# KiCad board Coral Dev Board Micro-PcbDoc.kicad_pcb (continued)
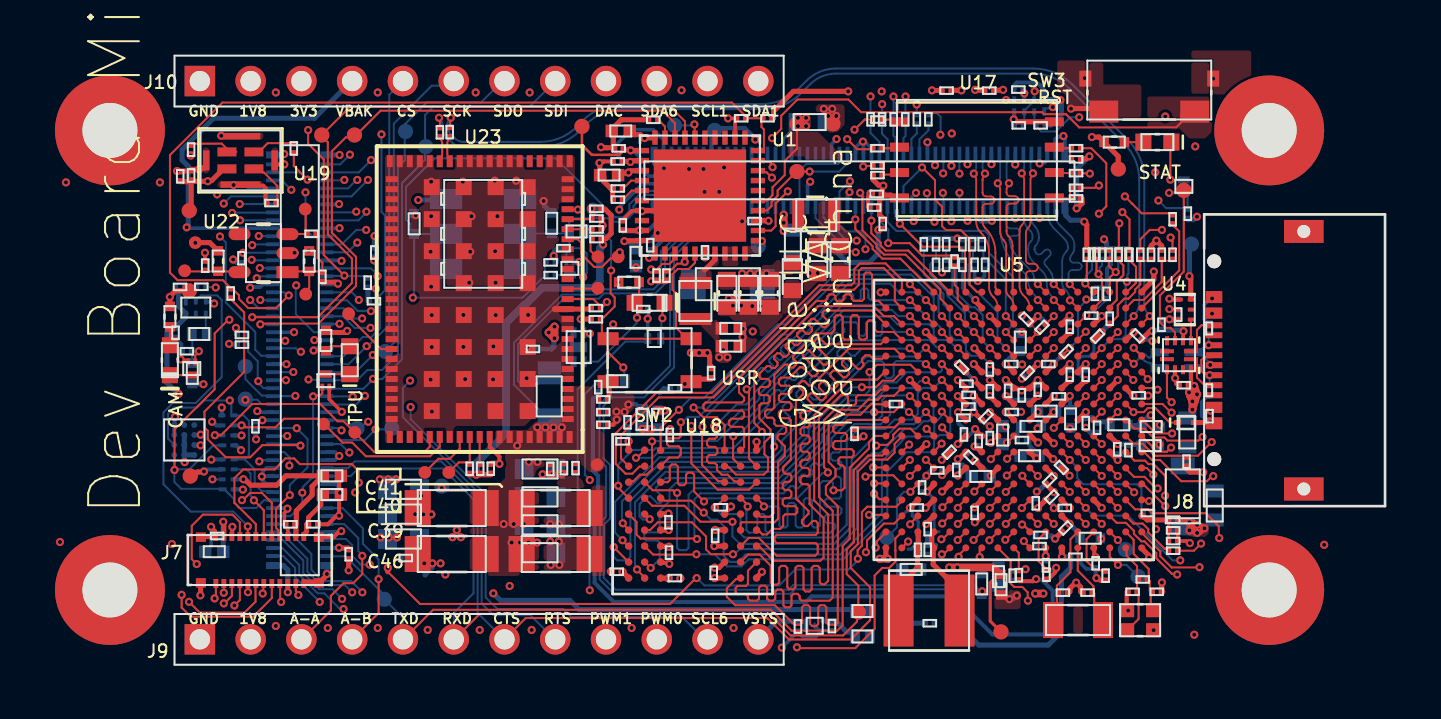
[diagram p0: board, top side]
## Nets (continued)
ENET_RGMII_MDC: J6.44 U5.U2
ENET_RGMII_MDIO: J6.46 U5.R3
ENET_RGMII_RX_EN: J6.76 U5.E13
ENET_RGMII_RXC: J6.78 U5.D13
ENET_RGMII_RXD0: J6.70 U5.D11
ENET_RGMII_RXD1: J6.68 U5.E11
ENET_RGMII_RXD2: J6.66 U5.E10
ENET_RGMII_RXD3: J6.72 U5.C11
ENET_RGMII_TX_EN: J6.63 R20.1
ENET_RGMII_TXC: J6.65 R26.1
ENET_RGMII_TXD0: J6.61 R19.1
ENET_RGMII_TXD1: J6.59 R18.1
ENET_RGMII_TXD2: J6.57 R16.1
ENET_RGMII_TXD3: J6.55 R10.1
ETHPHY_RST_B: J6.42 U5.R1
Flash_CS: R72.1 R79.2 U17.1
Flash_D0: R76.2 U17.5
Flash_D1: R78.2 U17.2
Flash_D2: R74.1 R85.2 U17.3
Flash_D3: R73.1 R84.2 U17.7
Flash_SCK: R75.2 U17.6
FLEXPWM1_PWM0_A: J5.9 J9.10 U5.N12
FLEXPWM1_PWM0_B: J5.7 J9.9 U5.R14
FLEXPWM1_PWM1_A: J5.11 Q3.1 U5.R13
FLEXPWM1_PWM1_B: J5.5 U5.P15
FLEXPWM2_PWM1_A: J5.3 U5.L14
FLEXPWM2_PWM1_B: J5.1 U5.N16
FlexSPI_A_CLK: R75.1 U5.G14
FlexSPI_A_D0: R76.1 U5.F15
FlexSPI_A_D1: R78.1 U5.H15
FlexSPI_A_D2: R85.1 U5.H14
FlexSPI_A_D3: R84.1 U5.F16
FlexSPI_A_SS0: R79.1 U5.F17
GPIO_SNVS_04: J5.58 U5.N10
GPIO_SNVS_06: J5.78 U5.M9
GPIO_SNVS_07: J5.34 U5.R9
GPIO_SNVS_08: J5.56 U5.N9
I2C1_SCL: J5.51 J10.11 R46.1 U5.K16
I2C1_SDA: J5.52 J10.12 R47.1 U5.H17
I2C5_SCL: J5.17 R49.1 U1.14 U5.N8 U6.A3 U10.5 U13.5
I2C5_SCL_CAM: J7.7 U13.6
I2C5_SCL_MCM: TP41.1 U10.6 u23.50
I2C5_SDA: J5.15 R48.1 U1.13 U5.N7 U6.A4 U10.1 U13.1
I2C5_SDA_CAM: J7.8 U13.2
I2C5_SDA_MCM: TP42.1 U10.2 u23.49
I2C6_SCL: J5.35 J9.11 R51.1 U5.R8
I2C6_SDA: J5.72 J10.10 R50.1 U5.P8
LED_BRD_A: LED4.2 R170.1
LED_BRD_K: LED4.1 Q10.3
LED_PRIVACY: LED2.A R168.1
LED_PRIVACY_K: LED2.K Q1.3
LED_TPU: LED5.2 R171.1
LED_TPU_K: LED5.1 Q3.3
LED_USR_A: LED3.A R169.1
LED_USR_K: LED3.K Q2.3
LPSPI1_PCS0: J6.71 U5.M17
LPSPI1_SCK: J6.69 U5.L17
LPSPI1_SDI: J6.75 U5.J17
LPSPI1_SDO: J6.73 U5.K17
LPSPI6_CS0: J5.50 J10.5 U5.P5
LPUART1_RXD: J5.91 U14.5
LPUART1_RXD_BT: R21.1 U5.M15 U14.6
LPUART1_TXD: J5.89 U14.1
LPUART1_TXD_BT: R53.1 U5.L13 U14.2
LPUART2_CTS_B: J6.56 R45.2
LPUART2_CTS_B_R: R45.1 U5.B6
LPUART2_RTS_B: J6.54 U5.A5
LPUART2_RXD: J6.60 U5.A6
LPUART2_TXD: J6.58 U5.D9
LPUART6_CTS_B: J5.24 J9.7 U5.K2
LPUART6_RTS_B: J5.47 J9.8 U5.K4
LPUART6_RXD: J5.22 J9.6 TP31.1 U5.L1
LPUART6_TXD: J5.2 J9.5 TP30.1 U5.K1
LPUART8_RXD: J5.82 U5.D8
LPUART8_TXD: J6.52 U5.B5
MCM_1V8: C98.1 R99.2 R110.2 R116.2 R137.2 R138.2 TP34.1 U5.P2 U10.3 U10.7
MCM_1V8_R: C92.1 R99.1 TP33.1 U22.5
MCM_3V3: C39.1 C40.1 C41.1 C42.1 C43.1 C44.1 C46.1 C90.1 C91.1 C93.1 C94.1 C95.1 C96.1 C97.1 C251.1 J6.6 R22.2 R93.1 R171.2 TP28.1 U5.D16 u23.56 u23.57 u23.58 u23.59 u23.60 u23.61 u23.62 u23.63 u23.64 u23.65 u23.66 u23.67
MCM_3V3_SENSE: J6.8 R22.1 U21.4
MCM_AON: R137.1 u23.54
MCM_AON_PMIC_EN: R138.1 TP43.1 u23.53
MCM_BT_PHY_PRG: R116.1 R129.2 TP35.1 u23.84
MCM_LDO_EN: R95.1 TP32.1 U22.3
MCM_LDO_IN: C88.1 R93.2 R95.2 TP29.1 U22.1
MCM_SD_ALARM: TP37.1 U5.L4 u23.82
MCM_USB2_D_N: R133.2 u23.14
MCM_USB2_D_P: R132.2 u23.13
MCM_USB_SEL: R110.1 R125.2 TP36.1 u23.83
MCU_DCDC_IN: C102.1 C277.1 C294.1 R194.2 R396.1 R397.1 TP17.1 U5.L5 U5.M5 U5.N5
MIC_CH_SEL: R91.2 U19.3
MIC_CLK: J5.97 R86.1 U5.N6
MIC_CLK_R: R86.2 U19.2
MIPI_CSI_CK_N: J6.94 U5.A12
MIPI_CSI_CK_P: J6.92 U5.B12
MIPI_CSI_D0_N: J6.88 U5.A11
MIPI_CSI_D0_P: J6.86 U5.B11
MIPI_CSI_D1_N: J6.100 U5.A13
MIPI_CSI_D1_P: J6.98 U5.B13
MIPI_DSI_CK_N: J6.87 U5.A9
MIPI_DSI_CK_P: J6.85 U5.B9
MIPI_DSI_D0_N: J6.81 U5.A8
MIPI_DSI_D0_P: J6.79 U5.B8
MIPI_DSI_D1_N: J6.93 U5.A10
MIPI_DSI_D1_P: J6.91 U5.B10
NetC34_1: C34.1 U5.J2
NetC57_1: C57.1 C63.1 C74.1 C269.1 R117.1 U5.K8 U5.K9 U5.L8
NetC242_1: C242.1 R375.2 U5.D14
NetQ4_3: Q4.3 R31.1
NetR12_1: R12.1 R13.1 U3.1
NetTP8_1: TP8.1 U1.36
NetTP40_1: TP40.1 u23.37
NetTP44_1: TP44.1 u23.52
ONOFF: J5.30 U5.U10
OTG1_D_N: L7.2 U5.E16
OTG1_D_P: L7.3 U5.E17
PMIC_ON_REQ: J5.29 R6.1 R1821.1 TP13.1 U5.U9
PMIC_STBY_REQ: J5.32 TP12.1 U5.T9
POR_B: C115.1 J5.60 R215.1 SW3.1 U1.22 U5.T10
PRIVACY_ENABLE: D5.A U3.4
PRIVACY_ENABLE_FILT: C36.1 D5.K Q1.1 R11.2
PRIVACY_OVERRIDE: R12.2 U5.M2
QSPI_1V8: C81.1 C82.1 R71.1 R72.2 R73.2 R74.2 U17.8
RGMII1_PHY_INTB: J6.40 U5.K3
RT_CLK1_N: TP22.1 U5.T15
RT_CLK1_P: TP23.1 U5.U15
RT_DCDC_L_1: L15.1 U5.T3 U5.U3
RT_DCDC_L_2: L15.2 U5.T4 U5.U4
RT_DCDC_MODE: C287.1 R397.2 R398.2 U5.N4
RT_TEST_MODE: R14.1 U5.T11
RT_XTALI: C316.2 R189.2 U5.U16 X1.1
RT_XTALO: C317.1 R189.1 U5.T16 X1.3
RTC_XTALI: C110.1 U5.T13 X2.1
RTC_XTALO: C109.1 U5.U13 X2.2
SAI2_MCLK: J5.66 U5.M1
SAI2_RX_BCLK: J5.42 U5.T1
SAI2_RX_DATA: J5.68 U5.M3
SAI2_RX_SYNC: J5.62 U5.N1
SAI2_TX_BCLK: J5.64 U5.N2
SAI2_TX_DATA: J5.53 U5.P1
SAI2_TX_SYNC: J5.40 U5.R2
SDRAM_1V8: C223.1 C224.1 C233.1 C234.1 C267.1 C268.1 C297.1 C303.1 C304.1 FB6.2 R90.2 U18.A7 U18.A9 U18.B3 U18.C7 U18.D3 U18.E7 U18.J9
SEMC_A0: U5.A3 U18.H7
SEMC_A1: U5.A2 U18.H8
SEMC_A2: U5.C2 U18.J8
SEMC_A3: U5.C5 U18.J7
SEMC_A4: U5.D5 U18.J3
SEMC_A5: U5.B1 U18.J2
SEMC_A6: U5.C1 U18.H3
SEMC_A7: U5.D3 U18.H2
SEMC_A8: U5.B3 U18.H1
SEMC_A9: U5.B4 U18.G3
SEMC_A10: U5.B2 U18.H9
SEMC_A11: U5.C4 U18.G2
SEMC_A12: U5.C3 U18.G1
SEMC_BA0: U5.G2 U18.G7
SEMC_BA1: U5.H2 U18.G8
SEMC_CAS: U5.J5 U18.F7
SEMC_CKE: R135.2 U5.G5 U18.F3
SEMC_CLK: R365.1 U5.J3
SEMC_CLK_R: R365.2 U18.F2
SEMC_CS0: R90.1 U5.E6 U18.G9
SEMC_D0: U5.F3 U18.A8
SEMC_D1: U5.F2 U18.B9
SEMC_D2: U5.G4 U18.B8
SEMC_D3: U5.E4 U18.C9
SEMC_D4: U5.H5 U18.C8
SEMC_D5: U5.F4 U18.D9
SEMC_D6: U5.H4 U18.D8
SEMC_D7: U5.H3 U18.E9
SEMC_D8: U5.E3 U18.E1
SEMC_D9: U5.D2 U18.D2
SEMC_D10: U5.D1 U18.D1
SEMC_D11: U5.E2 U18.C2
SEMC_D12: U5.E1 U18.C1
SEMC_D13: U5.F1 U18.B2
SEMC_D14: U5.G1 U18.B1
SEMC_D15: U5.H1 U18.A2
SEMC_DM0: U5.F5 U18.E8
SEMC_DM1: U5.J1 U18.F1
SEMC_DQS4: TP25.1 U5.N3
SEMC_RAS: U5.J4 U18.F8
SEMC_WE: U5.E5 U18.F9
SPI6_SCK__JTAG_nTRST: J5.48 J10.6 TP18.1 U5.R5
SPI6_SDI__JTAG_TDI: J5.44 J10.8 TP20.1 U5.U5
SPI6_SDO__JTAG_TDO: J5.46 J10.7 TP19.1 U5.T5
TPU_BOOT_FAIL: U5.K5 u23.85
TPU_INTR: TP38.1 u23.77
TPU_POW_EN: R39.2 U5.L2 U21.3
TPU_RST_L: R136.2 U5.M4 u23.76
USB2_TPU_N: R133.1 U5.C16
USB2_TPU_P: R132.1 U5.C17
USB_CC1: J8.4 U20.1
USB_CC2: J8.10 U20.2
USB_DN_CON: ESD2.2 J8.5 J8.7 L7.1
USB_DP_CON: ESD1.2 J8.6 J8.8 L7.4
USB_OTG1_ID: R43.2 U20.9
USB_OTG1_ID_RT: R43.1 U5.R16
USB_PORT: U4.4 U20.3
USB_PORT_RT: R17.2 U4.2 U5.R15
USDHC2_CLK: J5.79 U5.F14
USDHC2_CMD: J5.81 R23.1 U5.E14
USDHC2_DATA0: J5.77 R24.1 U5.E15
USDHC2_DATA1: J5.73 U5.H13
USDHC2_DATA2: J5.75 U5.J14
USDHC2_DATA3: J5.71 U5.J15
USER_BUTTON: D1.A J5.31 R167.1 U5.R10
USER_LED: J5.25 Q2.1 U5.M10
VSYS: C18.1 C26.1 C28.1 C38.1 C45.1 C87.1 D4.K J6.14 J6.16 J6.18 J6.20 J6.22 J6.24 J6.26 J9.12 R1.1 R4.2 R15.1 R40.2 U2.3 U2.4
VSYS_DA: C4.1 C5.1 C6.1 C7.1 C32.1 R1.2 U1.18 U1.19 U1.40
VSYS_SNVS_D: C21.1 D2.A U2.1
VUSB: C84.1 C85.1 C252.1 J8.2 J8.11 R8.2 TP45.1 U4.6 U5.D17 U20.4 U20.12
VUSB_R: D4.A R8.1 R15.2
WAKEUP: J5.36 TP9.1 U5.T8
WIFI_POWER_EN: J5.27 U5.R11
WIFI_SDIO_CLK: J5.92 U5.D15
WIFI_SDIO_CMD: J5.100 R32.2
WIFI_SDIO_CMD_R: R32.1 R373.1 U5.B16
WIFI_SDIO_D0: J5.96 R33.2
WIFI_SDIO_D0_R: R33.1 R374.1 U5.C15
WIFI_SDIO_D1: J5.94 R34.2
WIFI_SDIO_D1_R: R34.1 U5.B17
WIFI_SDIO_D2: J5.85 R35.2
WIFI_SDIO_D2_R: R35.1 U5.B15
WIFI_SDIO_D3: J5.98 R36.2
WIFI_SDIO_D3_R: R36.1 U5.A16
WL_ANT_SEL: J5.88 U5.C6
WL_HOST_WAKE: J5.86 U5.D6
WL_REG_ON: J5.93 U5.J16

Pads without a net: J6 23 25 27 29; J8 3 9; NOREF 6; SW1 1; U1 6 8 12 26 27 31 33 34 35; U3 5; U4 5; U5 M13; U6 B1 C1; U18 E2; U20 6 7 8 11; U22 4; u23 4 5 78

## Via types
v1: diameter 0.406, hole 0.203, Top to Bottom, 809 vias

## Routing (per net, layer and track width the routed paths; a pad name or vN(x,y) marks a point on that pad's centre or on a via; arc(x,y) is an arc through that point)
DVDD15: length 2.5
  Top w0.229: J7.12 7.1,6.52 7.23,6.65 7.23,7.02 7.27,7.05 ; 7.27,7.05 7.27,7.03 ; 7.27,7.05 7.33,7.11 7.33,7.37 7.96,8 7.96,8.42 C35.1
GND: length 960.6
  Top w0.178: v1(28.32,27.34) 28.33,27.34 ; 28.33,27.34 28.37,27.3 ; 28.33,27.34 28.33,27.35 28.68,27.35 28.68,27.34 28.68,26.39 U1.32 ; 6.19,6.92 6.3,6.8 J7.10 ; 19.62,17.81 19.64,17.81 19.66,17.8 ; 50.89,6.19 51.27,6.19 51.37,6.09 v1(51.43,6.09) ; 38.23,11.04 v1(38.25,11.04) ; 24,22.73 23.98,22.72 23.52,22.72 23.13,22.33 23.13,22.3 23.09,22.26 23.06,22.26 ; C33.2 50.82,6.72 50.82,6.19 R41.1 ; U5.L3 37.84,10.65 ; v1(2.46,6.9) 2.67,6.69 2.67,6.45 2.69,6.43 2.68,6.42 ; v1(46.17,29.36) 46.19,29.33 SW3.SH ; 6.13,7.03 6.13,7.6 6.28,7.75 v1(6.28,7.81) ; SW3.SH v1(52.6,29.33) ; 46.27,20.82 47.38,20.82 ; Q1.2 1.32,15.23 1.31,15.23 1.05,15.23 1,15.28 v1(0.94,15.28) ; Q3.2 8.38,13.28 v1(9,12.66) ; v1(52.54,18.33) 52.54,18.43 ; 7.59,15.67 v1(7.59,15.73)
  Top w0.19: 9.33,5.84 9.34,5.83 ; v1(8.86,5.85) 8.87,5.84
  Top w0.203: 34.62,11.27 34.68,11.33 34.92,11.33 34.99,11.39 35.07,11.39 v1(35.1,11.43) ; v1(46.76,4.34) 46.81,4.34 46.94,4.21 47.19,4.21 47.22,4.18 ; C31.2 8.87,9.37 v1(8.87,7.46) 8.83,7.42 8.69,7.42 8.31,7.03 7.87,7.03 ; v1(50.4,17.29) 50.42,17.27 50.88,17.27 50.88,17.27 ; v1(49.62,1.73) 49.74,1.73 ; 2.17,20.24 2.16,20.25 2.16,20.61 v1(2.16,20.62) ; 4.4,24.03 4.45,23.97 5.06,23.97 5.18,23.85 5.18,23.11 ; v1(19.99,9.54) 20.12,9.54 ; C95.2 22.58,12.01 22.58,12.03 22.75,12.21 v1(22.75,12.26) ; v1(6.3,3.63) 6.3,3.63 6.3,4.04 6.3,4.04 ; v1(35.45,23.59) 35.45,23.53 35.33,23.4 35.33,23.06 35.33,23.05 35.33,22.91 35.36,22.88 ; 48.39,2.73 48.39,2.73 48.39,2.73 ; 48.39,2.73 48.37,2.75 ; J7.MH4 7.85,6.39 8.6,6.39 8.86,6.65 8.93,6.65 v1(8.97,6.68) ; U22.2 6.62,20.6 v1(6.64,20.62) ; u23.55 16.41,11.39 16.41,10.89 16.89,10.41 v1(16.89,10.05) ; 22.53,25.19 22.1,25.19 22.06,25.15 21.98,25.15 21.92,25.09 ; X1.4 48.27,3.65 ; v1(40.69,11.79) 41.02,11.46 U5.K7 ; 44.26,4.21 44.28,4.21 44.7,4.63 ; 22.04,22.33 22.04,22.33 22.04,21.99 v1(22.04,21.99) 22.04,21.79 22.05,21.79 ; C96.2 20.12,9.61 ; U19.7 5.64,25.1 5.7,25.04 v1(6.12,25.04) ; v1(3.52,6.9) 3.51,6.89 3.51,6.43 3.5,6.41 ; v1(25.38,5.04) 25.33,5.04 25.27,5.1 24.98,5.1 U18.B7 ; 50.83,13.99 50.75,14.06 50.75,14.23 50.69,14.29 v1(50.69,14.34) 50.69,14.35 50.69,14.76 U20.10 ; v1(28.47,7.92) 28.47,7.89 28.15,7.57 U18.E3 ; 23.12,12.63 v1(23.15,12.65) ; 20.69,9.61 C97.2
  Top w0.254: U5.G15 v1(47.82,14.25) ; 24.31,27.27 22.98,27.27 22.69,26.98 22.69,26.9 C32.2 22.58,26.64 22.58,25.87 22.25,25.87 22.25,25.88 21.99,25.88 v1(21.97,25.9) ; v1(40.62,12.65) U5.J7 ; 21.41,17.85 21.41,17.83 21.38,17.8 u23.75 ; v1(38.53,28.75) 38.53,28.74 38.95,28.74 38.96,28.73 ; v1(44.59,10.29) 44.58,10.29 U5.L11 ; v1(3.59,24.01) 3.54,24.01 3.56,24.03 4.4,24.03 ; U18.D7 24.96,6.74 v1(25.35,6.74) 25.4,6.7 ; v1(16.89,10.05) 16.86,10.08 16.48,10.08 ; v1(42.22,14.25) U5.G9 ; 45.38,3.61 45.43,3.65 45.43,3.82 45.72,4.11 v1(45.74,4.11) 45.97,3.88 45.97,3.65 46.01,3.61 ; 47.04,27.83 45.49,27.83 v1(45.48,27.83) ; U5.R7 40.7,7.13 v1(40.67,7.13) ; v1(29.05,16.4) 29.02,16.43 29.02,16.72 C10.2 29.05,16.83 29.05,16.83 v1(29.05,16.81) ; u23.109 16.7,22.44 16.79,22.52 ; v1(8.25,4.54) 8.22,4.51 8.22,4.45 7.86,4.09 ; v1(1.92,3.47) 1.94,3.48 1.94,4.08 J7.MH1 ; U5.H11 v1(44.62,13.45) ; U5.C10 v1(43.82,17.45) ; 4.4,26.45 4.38,26.47 v1(2.97,26.47) ; v1(44.62,11.08) 44.59,11.08 U5.K11 ; v1(41.42,14.25) U5.G8 ; v1(49.63,19.68) 49.63,19.28 49.02,18.67 U5.A17 ; u23.68 20.32,14.28 ; v1(42.62,27.3) 42.66,27.3 42.79,27.17 U17.4 ; 1.31,24.71 0.76,24.71 v1(0.76,24.71) ; u23.90 16.66,23.94 v1(16.66,24.22) ; v1(24.02,22.7) 24.02,22.73 U1.7 26.17,22.73 ; U5.B7 41.02,17.87 40.73,18.17 40.73,18.23 v1(40.7,18.26) ; 28.28,17.95 28.3,17.98 v1(28.57,17.98) ; U5.G11 v1(43.82,14.25) U5.G10 ; v1(37.42,14.25) U5.G3 ; 46.27,20.82 46.27,22.02 46.15,22.15 v1(46.15,22.17) ; v1(8.81,19.07) 8.77,19.07 8.69,19.14 8.06,19.14 8.03,19.14 ; 22.51,23.76 22.54,23.73 22.54,23.28 ; v1(21.89,25.11) 21.91,25.1 21.91,24.63 22.11,24.43 22.11,24.19 22.43,23.86 22.51,23.86 22.51,23.86 22.51,23.84 ; v1(36.32,5.3) 36.32,5.34 36.22,5.44 U5.U1 ; U5.U17 49.02,5.82 49.36,5.48 49.36,5.38 v1(49.39,5.35) ; U5.A1 36.22,18.64 35.97,18.64 v1(35.96,18.64) ; U18.J1 v1(29.75,11.16) ; v1(43.76,10.33) 43.74,10.33 U5.L10 ; v1(40.69,28.77) 40.71,28.75 41.07,28.75 41.09,28.73 ; v1(40.62,13.45) U5.H7 ; 27.48,14.29 26.6,14.29 26.38,14.07 26.18,14.07 v1(26.16,14.05) ; U5.C12 45.41,17.44 v1(45.41,17.47) ; v1(39.82,11.05) U5.K6 ; 7.12,4.14 7.87,4.15 ; U18.A1 29.73,4.34 30.02,4.63 v1(30.02,4.65) ; v1(52.47,12.13) 52.46,12.12 D31.A ; 1.46,24.79 1.47,24.79 1.86,24.79 v1(1.86,24.8) 1.9,24.8 1.98,24.87 2.18,24.87 2.22,24.9 U19.5 ; C8.2 v1(32.81,19.6) ; U5.P4 38.61,8.25 38.22,7.85 v1(38.21,7.85) ; 42.62,13.86 v1(43.02,13.73) 43.43,13.86 ; v1(27.66,4.34) 28.16,4.34 U18.A3 ; v1(38.22,16.65) U5.D4 ; 1.95,6.38 1.98,6.42 2.68,6.42 ; 15.24,22.5 15.1,22.36 u23.110 ; v1(29.54,17.95) 29.26,17.95 29.23,17.98 v1(28.98,17.98) ; v1(27.64,5.94) U18.C3 ; 26.17,22.73 25.05,21.61 v1(24.81,21.61) ; 26.17,22.73 26.42,22.73 27.17,23.48 ; 26.17,22.73 U1.41 ; U5.R4 38.24,7.06 v1(38.24,7.05) ; 32.8,19.59 32.42,19.59 v1(32.41,19.6) ; U5.F13 v1(46.22,15.05) ; v1(50.03,4.12) 50.03,4.11 50.03,3.7 50.08,3.65 ; U5.F12 v1(45.42,15.05) ; U5.F11 v1(44.62,15.05) ; SW2.3 22.38,14.11 22.38,13.45 ; 45.02,6.63 45,6.63 44.69,6.31 v1(44.69,6.31) ; U5.L15 v1(47.82,10.25) ; U5.C14 v1(47.02,17.45) ; U5.L6 39.87,10.29 v1(39.82,10.29) ; U5.P14 v1(47.02,7.85) ; v1(41.42,17.45) U5.C8 ; 37.84,10.65 38.23,11.04 ; U5.J11 v1(44.62,12.65) ; 8.87,5.84 9.33,5.84 ; v1(40.62,14.25) U5.G7
  Top w0.305: 19.66,17.8 u23.75
  Top w0.381: v1(43.7,3.56) 43.7,3.57 44.04,3.57 ; v1(35.91,5.3) v1(36.32,5.3)
  In1.Cu w0.508: 53.05,11.1 53.05,19.38 arc(53.06,19.49) 53.09,19.59 53.3,20.05 53.3,20.41 arc(53.45,20.76) 53.8,20.91 58.9,20.91 58.9,27.24 arc(58.02,29.36) 55.9,30.24 51.95,30.24 51.95,29.39 arc(52.05,28.69) 51.35,28.59 47.45,28.59 arc(46.75,28.69) 46.85,29.39 46.85,30.24 -3.1,30.24 arc(-5.22,29.36) -6.1,27.24 -6.1,3.24 arc(-5.22,1.12) -3.1,0.24 55.9,0.24 arc(58.02,1.12) 58.9,3.24 58.9,9.57 53.8,9.57 arc(53.45,9.72) 53.3,10.07 53.3,10.43 53.09,10.89 arc(53.06,10.99) 53.05,11.1
  In2.Cu w0.254: v1(23.34,13.02) v1(22.74,12.67) ; v1(22.75,12.26) v1(23.15,12.65)
  In2.Cu w0.381: v1(43.7,3.56) v1(44.1,3.56) ; v1(13.13,5.07) v1(13.53,5.07) v1(13.94,5.07) ; v1(22.75,12.26) v1(22.74,12.67) v1(23.15,12.65) v1(23.34,13.02) ; v1(29.05,16.4) v1(29.05,16.81) ; v1(12.67,7.54) v1(13.48,7.52) ; v1(35.91,5.3) v1(36.32,5.3) ; v1(32.41,19.6) v1(32.81,19.6) ; v1(29.54,17.95) v1(29.94,17.95) ; v1(28.77,18.33) v1(28.98,17.98) v1(28.57,17.98) v1(28.37,18.33) v1(28.77,18.33) ; v1(14.75,6.74) v1(14.96,6.38) v1(14.54,6.38) v1(14.75,6.74)
  In3.Cu w0.381: v1(13.48,7.52) v1(12.67,7.54) ; v1(19.88,5) 17.17,5 16.63,4.46 17.09,4.46 17.62,5 ; v1(13.13,5.07) v1(13.53,5.07) v1(13.94,5.07) ; v1(14.54,6.38) v1(14.75,6.74) v1(14.96,6.38) v1(14.54,6.38)
  In4.Cu w0.013: 57.49,7.39 58.29,7.39 58.29,9.09 57.49,9.09 57.49,7.39 ; -3.1,0.24 55.9,0.24 arc(58.02,1.12) 58.9,3.24 58.9,27.24 arc(58.02,29.36) 55.9,30.24 -3.1,30.24 arc(-5.22,29.36) -6.1,27.24 -6.1,3.24 arc(-5.22,1.12) -3.1,0.24 ; 0.65,0 31.13,0 31.13,2.54 0.65,2.54 0.65,0 ; 57.49,23.09 58.29,23.09 58.29,21.39 57.49,21.39 57.49,23.09 ; 0.65,30.48 31.13,30.48 31.13,27.94 0.65,27.94 0.65,30.48
  In4.Cu w0.381: 23.15,12.66 23.15,12.83 23.33,13.01 ; 23.15,12.66 23.15,12.66 v1(23.15,12.65) ; 23.15,12.66 v1(23.15,12.65) ; 23.15,12.66 23.33,13.01 ; 23.33,13.01 23.34,13.02 v1(23.34,13.02) ; 23.33,13.01 v1(23.34,13.02) ; v1(23.15,12.65) 23.14,12.65 23.13,12.66 22.75,12.66 ; v1(23.15,12.65) v1(22.75,12.26) 22.75,12.27 22.75,12.28 22.75,12.66 ; v1(23.34,13.02) v1(22.74,12.67) 22.75,12.66 ; v1(43.7,3.56) v1(44.1,3.56) ; v1(12.67,7.54) 13.46,7.54 13.48,7.52 v1(13.48,7.52) ; v1(32.41,19.6) v1(32.81,19.6)
  In5.Cu w0.254: v1(23.15,12.65) v1(22.75,12.26) 22.74,12.25 22.74,12.22 ; 22.7,12.69 v1(23.34,13.02)
  In5.Cu w0.381: v1(28.98,17.98) 28.98,17.98 28.97,17.99 ; v1(28.98,17.98) v1(28.57,17.98) 28.37,18.32 ; v1(28.98,17.98) 28.97,17.99 ; 28.37,18.32 28.37,18.33 v1(28.37,18.33) ; 28.37,18.32 v1(28.37,18.33) ; v1(13.13,5.07) v1(13.53,5.07) v1(13.94,5.07) ; 28.97,17.99 28.78,18.32 ; 28.97,17.99 28.78,18.18 28.78,18.32 ; v1(28.77,18.33) 28.78,18.33 28.78,18.32 ; v1(28.77,18.33) 28.78,18.32 ; v1(28.77,18.33) v1(28.37,18.33) ; v1(32.41,19.6) v1(32.81,19.6) ; v1(13.48,7.52) v1(12.67,7.54) ; v1(19.05,9.53) 19.05,9.54 19.53,9.54 19.54,9.54 v1(19.54,9.54) v1(19.99,9.54) ; v1(29.05,16.4) v1(29.05,16.81) ; v1(23.34,13.02) v1(23.15,12.65) v1(22.74,12.67) v1(22.75,12.26) ; v1(29.54,17.95) v1(29.94,17.95) ; v1(35.91,5.3) v1(36.32,5.3) ; v1(43.7,3.56) v1(44.1,3.56) ; 14.85,6.56 v1(14.96,6.38) v1(14.54,6.38) v1(14.75,6.74) 14.85,6.56
  In6.Cu w0.508: -6.1,3.24 -6.1,27.24 arc(-5.22,29.36) -3.1,30.24 46.85,30.24 46.85,29.39 arc(46.75,28.69) 47.45,28.59 51.35,28.59 arc(52.05,28.69) 51.95,29.39 51.95,30.24 55.9,30.24 arc(58.02,29.36) 58.9,27.24 58.9,20.91 53.8,20.91 arc(53.45,20.76) 53.3,20.41 53.3,20.05 53.09,19.59 arc(53.06,19.49) 53.05,19.38 53.05,11.1 arc(53.06,10.99) 53.09,10.89 53.3,10.43 53.3,10.07 arc(53.45,9.72) 53.8,9.57 58.9,9.57 58.9,3.24 arc(58.02,1.12) 55.9,0.24 -3.1,0.24 arc(-5.22,1.12) -6.1,3.24
  Bottom w0.076: Q4.2 v1(20.87,20.16) ; v1(23.72,19.88) C3.2 ; 50.01,17.28 50.01,17.29
  Bottom w0.178: v1(40.62,13.45) 40.66,13.41 ; 40.07,19.57 40.07,18.86 40.68,18.26 v1(40.7,18.26) ; 33.03,1.71 32.69,1.36 32.09,1.36 31.94,1.51 31.94,1.55 31.85,1.64 31.79,1.64 31.42,1.27 31.42,1.26 v1(31.02,0.86) ; 33.03,1.71 U2.2 ; 33.03,1.71 33.35,1.71 33.35,1.7 33.48,1.7 33.52,1.66 ; 33.03,1.71 32.9,1.71 U2.5 ; v1(42.69,25.04) 42.7,25.04 42.7,25.59 42.7,25.6 ; v1(41.51,25.05) 41.5,25.05 41.5,25.59 41.5,25.6 ; 28.13,24.95 28.05,24.95 27.9,25.1 27.9,25.59 27.9,25.6 ; 28.3,25.6 28.3,25.59 28.3,25.06 v1(28.13,24.88) 28.13,24.93 ; 52.45,13.41 52.3,13.41 52.02,13.13 52.02,12.46 52.25,12.22 52.33,12.22 52.41,12.14 ; 41.47,22.17 41.24,22.17 41.23,22.17 40.97,22.17 40.71,22.43 40.71,22.88 J6.80 ; 41.47,22.17 41.47,22.17 ; 41.47,22.17 41.11,22.53 41.11,22.88 J6.82 ; 41.47,22.17 41.48,22.17 v1(41.53,22.22) ; 35.5,25.6 35.49,25.6 35.49,25.84 35.46,25.87 35.46,25.88 35.21,26.14 35.12,26.14 v1(35.07,26.18) ; 43.9,25.6 43.9,25.1 v1(43.91,25.09) 43.95,25.13 44.16,25.13 44.29,25.26 44.29,25.59 44.3,25.6 ; J5.23 5.54,9.83 5.21,9.83 5.04,9.66 5.04,9.46 5.02,9.43 5.54,9.43 J5.21 ; J6.48 34.3,23.49 34.4,23.59 v1(34.4,23.65) ; 47.42,17.59 47.38,17.55 47.18,17.55 47.08,17.45 v1(47.02,17.45) ; v1(9,12.66) 8.99,12.65 8.26,12.65 8.26,12.64 ; 24.43,21.27 24.46,21.27 ; v1(50.39,23.61) Q10.2 ; v1(35.07,26.18) 35.1,26.15 35.1,25.6 ; v1(35.07,26.18) 35.03,26.14 34.95,26.14 34.71,25.89 34.71,25.6 34.7,25.6 ; 40.37,12.31 40.37,12.34 40.62,12.59 v1(40.62,12.65) ; 24.8,21.61 v1(24.81,21.61) ; 40.66,19.71 40.66,19.4 40.76,19.3 40.76,19.26 v1(40.82,19.21) 40.86,19.25 40.95,19.25 41.15,19.45 41.15,19.68 41.18,19.71 41.18,19.71 ; v1(41.53,22.22) 41.53,22.16 ; v1(41.53,22.22) 41.51,22.24 41.51,22.88 J6.84 ; J6.38 32.3,23.98 32.43,24.11 v1(32.43,24.17) ; v1(0.94,15.28) 0.96,15.31 0.96,15.67 0.98,15.69 0.98,16.04 0.71,16.31 0.68,16.31 ; 38.3,25.6 v1(38.3,26.15) ; 40.3,25.6 40.3,25.59 40.3,25.05 v1(40.31,25.05) ; J6.74 39.5,22.2 v1(39.5,22.2) ; 42.69,22.87 42.7,22.86 42.7,22.35 v1(42.69,22.34) ; U3.3 2.2,18.16 2.21,18.15 2.47,18.15 2.55,18.08 v1(2.61,18.08) ; 26.3,25.6 26.3,25.59 26.3,24.89 ; J6.64 37.5,23.39 v1(37.73,23.61) ; v1(5,9.42) 5.04,9.37 5.04,9.22 5.22,9.05 5.54,9.05 J5.19 ; J6.96 43.9,22.88 43.9,22.35 v1(43.91,22.35) ; v1(29.03,22.19) 29.03,22.2 29.37,22.2 29.38,22.2 ; 5.54,12.64 5.54,12.64 4.89,12.64 4.83,12.69 v1(4.77,12.69) ; v1(7.59,15.73) 7.65,15.73 7.76,15.84 J5.54 8.26,15.84 ; J5.57 6.55,16.64 6.61,16.58 v1(6.61,16.64) ; Q2.2 24.31,16.5 24.31,17.31 v1(24.3,17.32) 24.34,17.36 24.34,17.76 24.38,17.8 ; 26.7,25.6 J6.9 26.7,25.08 26.42,24.81 v1(26.37,24.81) ; v1(2.46,6.9) 2.46,6.9 2.46,6.45 2.46,6.44 2.46,5.95 C29.2 ; 39.54,10.88 39.66,11 ; v1(35.45,23.59) 35.45,23.65 ; v1(33.75,26.31) 33.51,26.06 33.51,25.6 33.5,25.6 ; 46.67,4.78 46.65,4.79 46.25,4.79 45.97,5.07 45.97,5.33 45.98,5.34 45.98,5.4 ; 40.65,12.87 40.66,12.88 ; ESD1.1 52.35,17.1 52.15,17.3 52.15,18.01 52.43,18.29 52.44,18.29 52.54,18.39
  Bottom w0.19: 8.89,8.58 8.9,8.59 8.89,8.6 8.89,8.85 8.7,9.04 8.26,9.04 ; 8.89,8.58 8.89,8.41 8.72,8.24 8.26,8.24 ; 8.89,8.58 8.83,8.64 8.26,8.64 ; 8.85,10.44 8.65,10.64 8.26,10.64 ; 8.85,10.44 v1(8.87,10.44) ; 8.85,10.44 8.64,10.24 8.26,10.24 ; 8.26,6.64 8.93,6.64 v1(8.97,6.68) ; v1(4.42,18.86) 4.45,18.9 4.92,18.9 5.05,19.04 5.25,19.04 5.25,19.04 J5.69 ; v1(8.86,23.06) 8.84,23.04 8.26,23.04 ; 8.26,20.24 8.26,20.23 8.97,20.23 v1(8.99,20.21) ; v1(8.89,21.85) 8.88,21.84 8.26,21.84 8.26,21.84 ; 8.26,5.84 8.85,5.84 v1(8.86,5.85) ; 5.55,15.04 6.23,15.04 ; v1(6.28,7.81) 6.25,7.84 J5.13 ; J5.99 6.12,25.04 ; 8.26,19.04 8.78,19.04 v1(8.81,19.07) ; 8.26,7.44 8.85,7.44
  Bottom w0.203: v1(0.66,12.41) 0.63,12.39 0.63,12.01 U6.A1 U6.A2 ; v1(25.94,4.32) 25.95,4.32 25.96,4.34 ; v1(43.76,10.33) 43.65,10.44 43.65,10.73 43.4,10.98 43.4,11.17 43.33,11.24 ; 40.19,14.67 40.19,14.67 40.62,14.25 v1(40.62,14.25) ; 45.18,25.6 45.18,26.34 45.15,26.37 45.15,26.42 v1(45.11,26.46) 45.07,26.42 44.82,26.42 44.7,26.3 44.7,25.6 ; C67.2 R158.2 ; 42.76,15.05 42.77,15.05 42.79,15.03 v1(43.04,15.03) ; 6.23,15.04 v1(6.23,15.04) ; v1(42.22,11.92) 42.22,11.94 42.19,11.97 42.11,11.97 ; C297.2 23.7,13.05 23.36,13.05 v1(23.34,13.02) ; 41.04,12.22 41.07,12.22 41.27,12.02 41.28,12.02 41.37,11.93 v1(41.42,11.93) ; v1(49.56,16.2) 49.51,16.2 49.44,16.27 49.09,16.27 49.07,16.29 49.04,16.27 49,16.27 ; v1(39.82,10.29) 39.86,10.33 39.99,10.33 40.23,10.57 40.27,10.57 ; v1(2.99,12.87) 3,12.87 3,12.48 U10.4 ; 22.48,4.63 22.46,4.65 v1(22.46,4.67) ; 45.02,15.45 44.99,15.45 44.62,15.08 v1(44.62,15.05) ; 49.14,13.48 49.15,13.47 49.34,13.47 v1(49.35,13.46) ; 46.65,4.78 46.72,4.7 46.72,4.37 v1(46.76,4.34) ; 48.42,10.48 48.46,10.44 ; v1(2.47,10.26) 2.48,10.27 3.01,10.27 U13.4 ; 39.7,10.05 39.73,10.01 40.06,10.01 40.31,9.76 40.31,9.63 40.4,9.55 40.52,9.55 ; 44.23,4.7 44.26,4.73 44.56,4.73 44.68,4.85 v1(44.74,4.85) ; v1(24.02,22.7) 24.55,22.7 24.63,22.77 24.63,22.89 ; 40.11,11.3 C241.2 40.15,11.3 40.26,11.42 40.32,11.42 40.69,11.78 v1(40.69,11.79) 40.73,11.75 40.73,11.56 40.82,11.47 40.82,11.45 40.84,11.42 C273.2 ; 1.83,11.49 1.63,11.49 U6.C2 ; v1(27.1,24.81) 27.1,24.81 J6.11 27.1,25.6 ; 22.75,11.18 22.75,11.18 ; v1(25.38,5.04) 25.38,5.03 25.36,5.03 25.36,5.3 25.37,5.31 ; 47.83,10.48 48.4,10.48 ; 6.12,25.04 v1(6.12,25.04) ; U14.4 42.64,27.66 42.64,27.32 42.59,27.27 42.59,27.02 42.57,26.99 ; 8.85,7.44 v1(8.87,7.46) ; v1(43.02,13.73) 43.02,13.81 ; 3.7,16.5 v1(3.7,16.86) ; 47.82,10.51 47.85,10.48
  Bottom w0.254: 24.63,25.6 24.66,25.56 24.66,25.09 24.87,24.88 25.09,24.88 v1(25.12,24.85) ; v1(10.64,21.46) 10.63,21.45 10.63,20.94 10.63,20.93 ; 22.56,17.06 v1(22.58,17.04) ; 12.97,8.44 v1(12.98,8.45) ; R164.1 19.49,22.61 19.13,22.97 19.13,23.18 v1(19.1,23.21) ; 46.24,11.8 v1(46.24,11.85) ; 52.41,12.14 52.47,12.14 v1(52.47,12.13) ; 8.26,4.96 J5.MH2 8.25,4.54 v1(8.25,4.54) ; 8.26,25.51 8.26,25.51 8.82,25.51 8.85,25.48 8.85,25.47 ; 44.59,10.28 44.6,10.28 44.81,10.07 44.81,10.06 ; v1(42.99,12.65) 42.98,12.65 42.83,12.65 ; 13.17,4.49 13.17,4.51 13.51,4.84 13.51,5.04 ; 24.46,21.27 24.8,21.61 ; 41.42,11.59 41.42,11.93 ; v1(43.82,17.45) 43.86,17.45 43.94,17.37 43.96,17.37 44.16,17.17 44.17,17.17 44.24,17.1 44.25,17.1 ; v1(42.22,14.25) 42.25,14.22 42.25,14.1 42.26,14.08 42.26,14.06 42.31,14.01 42.34,14.01 ; 44.34,8.23 44.34,8.23 44.59,7.98 44.59,7.87 v1(44.62,7.84) ; 44.99,6.63 44.99,6.62 44.69,6.31 v1(44.69,6.31) 44.64,6.31 44.5,6.45 44.31,6.45 44.26,6.5 44.26,6.52 ; 46.22,11.82 46.23,11.82 46.27,11.82 46.48,11.61 46.71,11.61 46.74,11.58 ; 44.2,9.02 44.19,9.02 43.86,8.7 43.8,8.7 43.75,8.64 43.75,8.35 43.74,8.35 43.72,8.35 ; v1(6.12,25.56) 6.1,25.54 5.58,25.54 5.55,25.51 ; v1(46.15,22.17) 46.11,22.17 46.04,22.24 45.46,22.24 45.22,22.48 45.22,22.84 J6.MH4 ; 38.11,9.2 38.11,9.23 38.22,9.34 38.22,9.42 38.28,9.48 ; 50.85,17.22 50.84,17.23 50.5,17.23 50.43,17.29 v1(50.4,17.29) 50.01,17.29 ; v1(39.82,11.05) 39.86,11.05 40.11,11.3 ; v1(38.25,9.45) 38.25,9.48 38.49,9.72 38.49,9.73 ; v1(6.3,3.63) 6.3,4.74 6.08,4.96 5.55,4.96 J5.MH1 ; C23.2 25.9,13.86 25.9,13.86 25.94,13.86 26.13,14.05 v1(26.16,14.05) ; R11.1 1.53,14.05 2.06,14.05 v1(2.08,14.04) ; 40.66,12.88 40.66,13.41
  Bottom w0.381: v1(28.37,18.33) 28.37,18.33 ; 28.37,18.33 28.38,18.33 v1(28.77,18.33) 28.78,18.33 28.78,18.18 28.98,17.98 v1(28.98,17.98) v1(28.57,17.98) 28.57,17.98 28.37,18.18 28.37,18.33 ; 13.47,7.55 13.46,7.54 v1(12.67,7.54) ; v1(29.05,16.4) v1(29.05,16.81) ; v1(32.41,19.6) v1(32.81,19.6) ; v1(29.54,17.95) v1(29.94,17.95)
  In7.Cu w0.1: 48.27,13.18 48.27,13.78 49.47,13.78 49.47,13.18 48.27,13.18 ; 17.97,15.5 17.97,16.1 19.17,16.1 19.17,15.5 17.97,15.5 ; 25.07,14.14 26.27,14.14 26.27,13.54 25.07,13.54 25.07,14.14 ; 25.67,5.01 25.67,6.21 25.07,6.21 25.07,5.01 25.67,5.01 ; 27.38,5.85 27.38,7.05 27.98,7.05 27.98,5.85 27.38,5.85 ; 40.36,8.2 40.96,8.2 40.96,7 40.36,7 40.36,8.2 ; 45.92,13.92 45.92,15.12 46.52,15.12 46.52,13.92 45.92,13.92
  vias: v1(-5.1,6.14) v1(-4.8,24.14) v1(-0.1,24.14) v1(0.5,6.04) v1(1.94,11.51) v1(5.7,28.64) v1(5.7,1.94) v1(8.3,1.84) v1(8.89,25.51) v1(8.91,8.6) v1(10.8,28.64) v1(10.8,1.84) v1(12.7,22.5) v1(13.08,7.52) v1(13.3,1.74) v1(13.45,20.67) v1(13.45,14.27) v1(13.47,24.17) v1(13.47,22.45) v1(13.47,18.92) v1(13.5,17.5) v1(13.5,15.9) v1(13.51,12.67) v1(14.18,4.51) v1(15.06,24.17) v1(15.08,17.51) v1(15.08,15.91) v1(15.17,14.29) v1(15.43,20.67) v1(15.38,19.12) v1(15.49,22.45) v1(15.7,28.64) v1(15.9,1.74) v1(16.58,15.93) v1(16.57,14.28) v1(16.67,20.69) v1(16.7,19.12) v1(16.7,17.5) v1(16.79,22.45) v1(17.4,3.94) v1(17.73,24.22) v1(18.25,14.34) v1(18.32,17.51) v1(18.27,15.9) v1(18.4,28.64) v1(18.5,1.74) v1(19.43,7.03) v1(19.43,6.16) v1(19.45,5) v1(19.86,7.03) v1(19.86,6.16) v1(21.41,16.58) v1(23.5,1.84) v1(26,28.75) v1(27.15,23.67) v1(27.89,23.67) v1(28.6,1.84) v1(36.01,28.69) v1(39.03,19.63) v1(39.52,26.59) v1(43.77,8.67) v1(48.35,2.71) v1(49.7,24.64) v1(50.2,27.44) v1(51.7,25.94) v1(51.65,1.5) v1(58.15,6)